# KiCad board multi-channel-cremat-amplifier.kicad_pcb (continued)
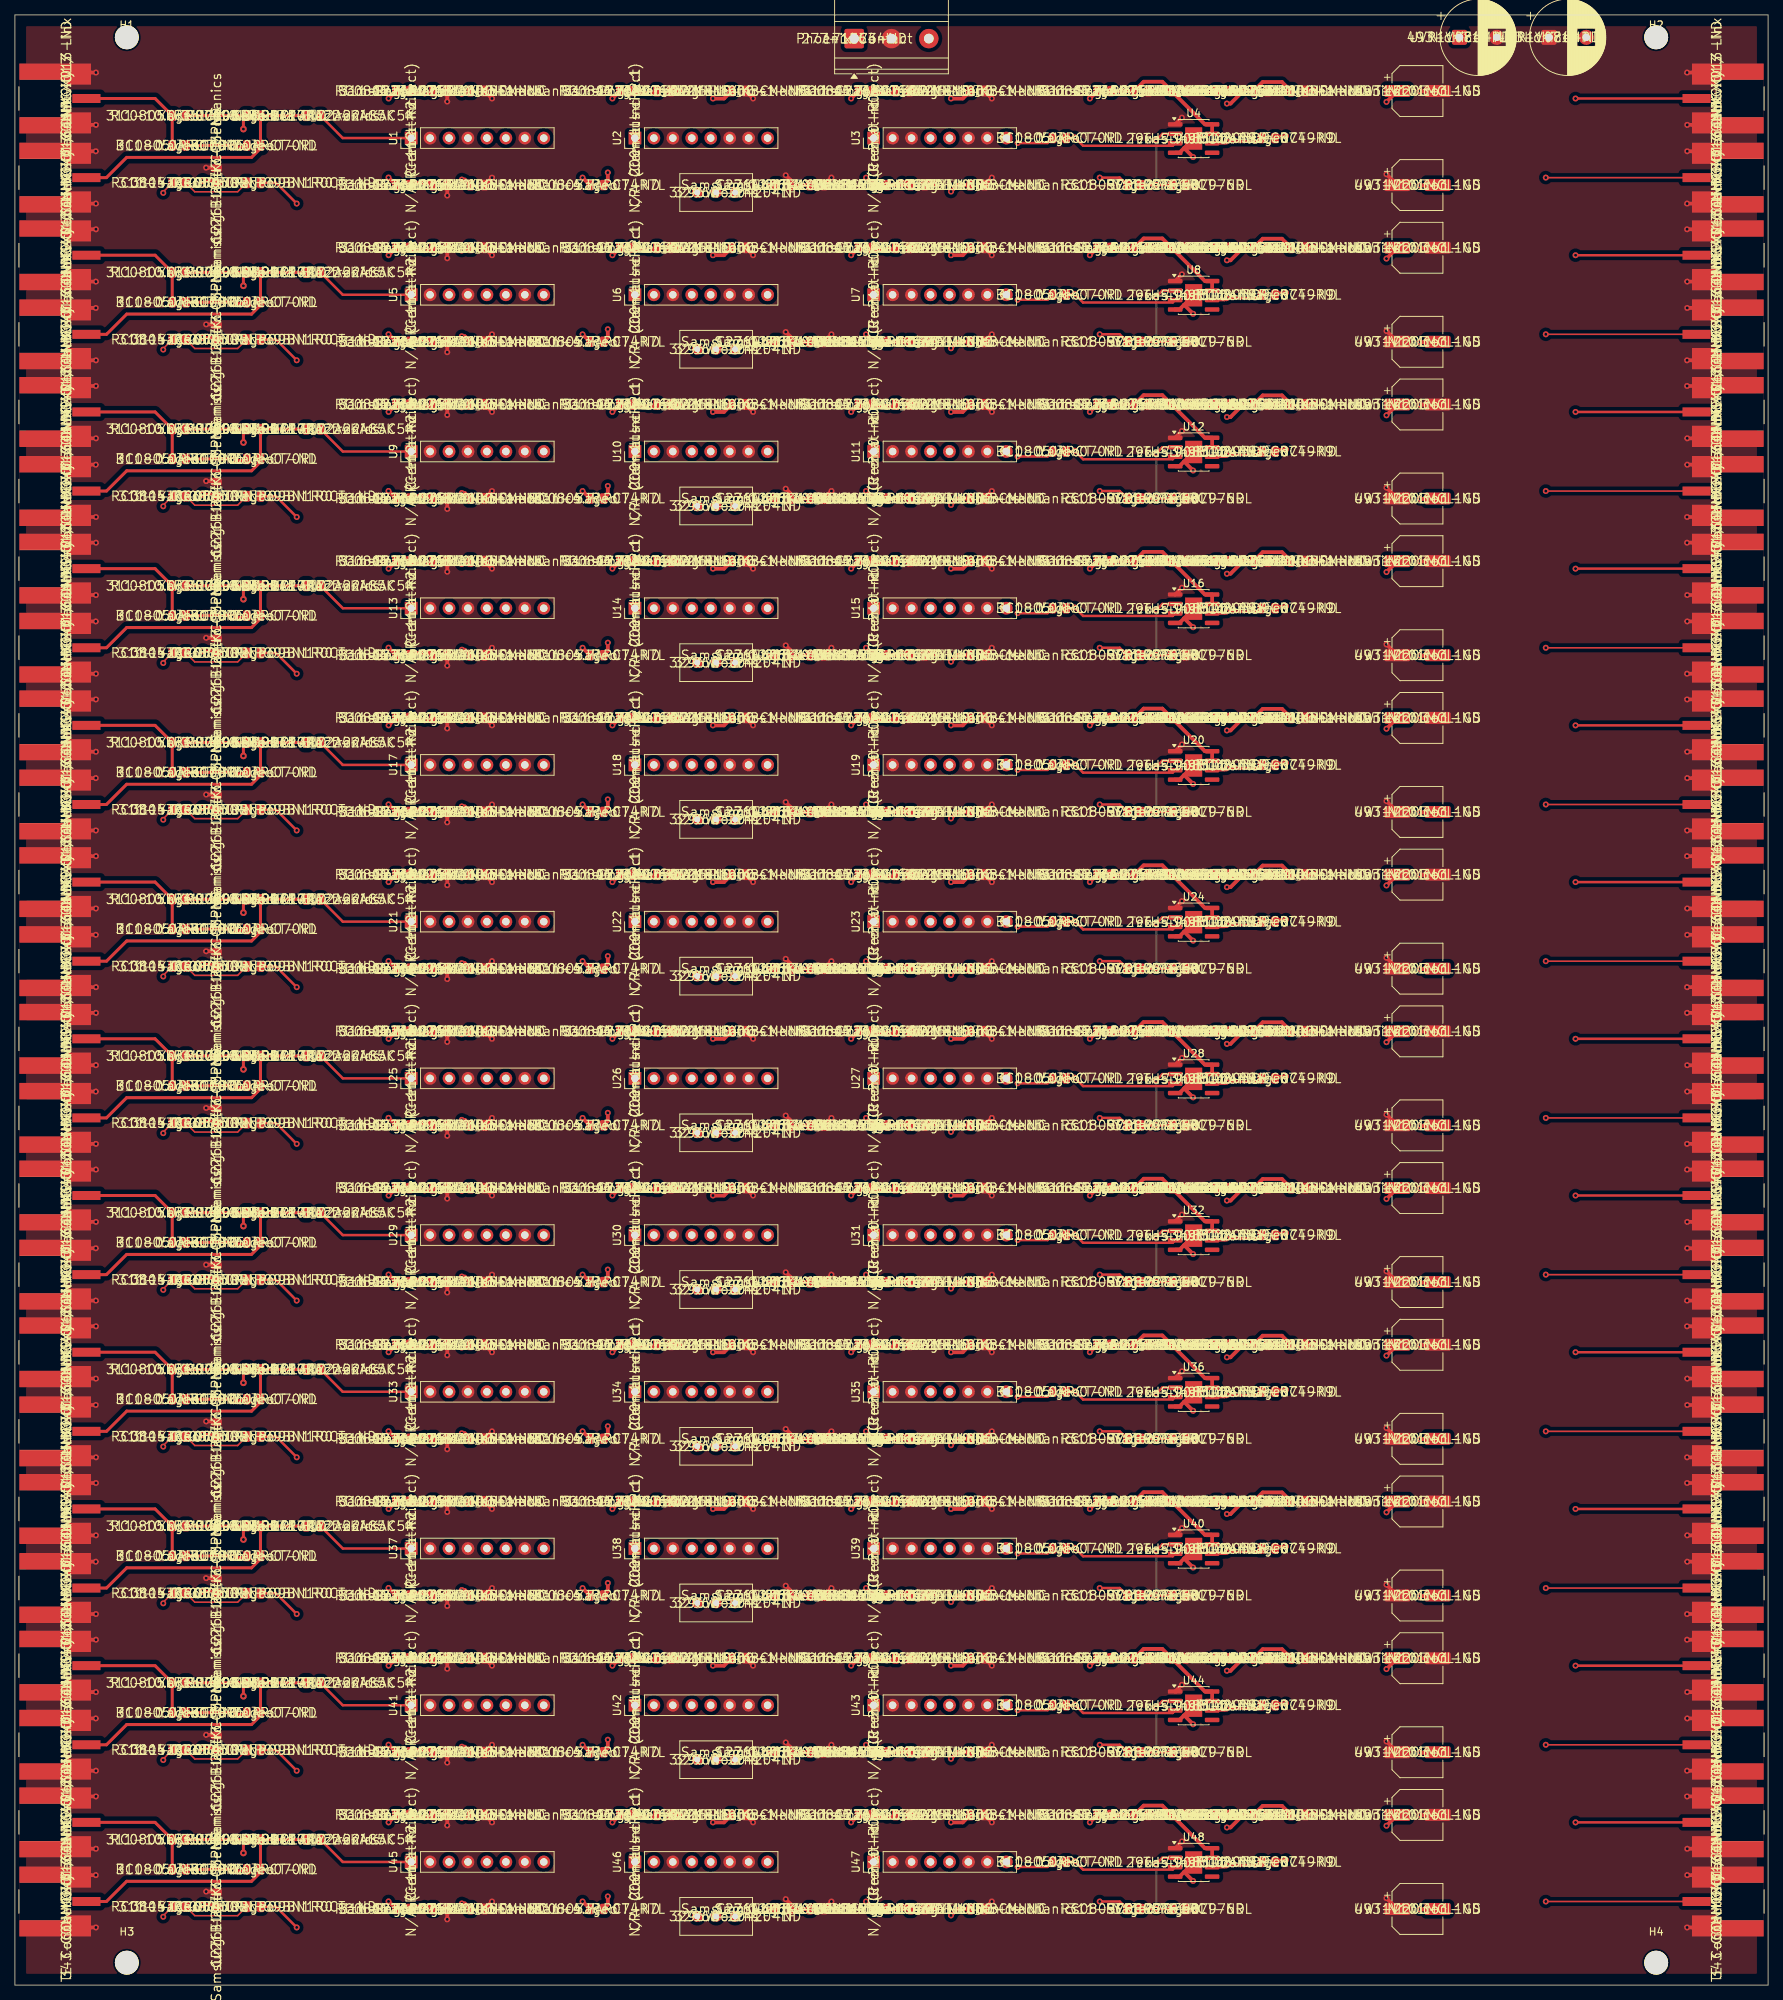
[diagram p0: board, top side]
## Routing (per net, layer and track width the routed paths; a pad name or vN(x,y) marks a point on that pad's centre or on a via; arc(x,y) is an arc through that point) (continued)
/BLVP_ch04: length 20.6
  Top w0.5: C76.1 127.05,189.8 v1(125.47,189.8) ; C75.1 117.77,190.52 v1(116.91,190.52) 115.2,190.52 R61.2
  GND.Cu w0.5: v1(116.91,190.52) 117.62,189.8 v1(125.47,189.8) 125.47,184.7 U15.5
/BLVP_ch05: length 20.6
  Top w0.5: C97.1 127.05,168.8 v1(125.47,168.8) ; C96.1 117.77,169.52 v1(116.91,169.52) 115.2,169.52 R78.2
  GND.Cu w0.5: v1(116.91,169.52) 117.62,168.8 v1(125.47,168.8) 125.47,163.7 U19.5
/BLVP_ch06: length 20.6
  Top w0.5: R95.2 115.2,148.52 v1(116.91,148.52) 117.77,148.52 C117.1 ; C118.1 127.05,147.8 v1(125.47,147.8)
  GND.Cu w0.5: U23.5 125.47,142.7 v1(125.47,147.8) 117.62,147.8 v1(116.91,148.52)
/BLVP_ch07: length 20.6
  Top w0.5: C139.1 127.05,126.8 v1(125.47,126.8) ; R112.2 115.2,127.52 v1(116.91,127.52) 117.77,127.52 C138.1
  GND.Cu w0.5: v1(116.91,127.52) 117.62,126.8 v1(125.47,126.8) 125.47,121.7 U27.5
/BLVP_ch08: length 20.6
  Top w0.5: C160.1 127.05,105.8 v1(125.47,105.8) ; R129.2 115.2,106.52 v1(116.91,106.52) 117.77,106.52 C159.1
  GND.Cu w0.5: v1(116.91,106.52) 117.62,105.8 v1(125.47,105.8) 125.47,100.7 U31.5
/BLVP_ch09: length 20.6
  Top w0.5: C180.1 117.77,85.52 v1(116.91,85.52) 115.2,85.52 R146.2 ; C181.1 127.05,84.8 v1(125.47,84.8)
  GND.Cu w0.5: U35.5 125.47,79.7 v1(125.47,84.8) 117.62,84.8 v1(116.91,85.52)
/BLVP_ch10: length 20.6
  Top w0.5: C201.1 117.77,64.52 v1(116.91,64.52) 115.2,64.52 R163.2 ; C202.1 127.05,63.8 v1(125.47,63.8)
  GND.Cu w0.5: v1(116.91,64.52) 117.62,63.8 v1(125.47,63.8) 125.47,58.7 U39.5
/BLVP_ch11: length 20.6
  Top w0.5: R180.2 115.2,43.52 v1(116.91,43.52) 117.77,43.52 C222.1 ; v1(125.47,42.8) 127.05,42.8 C223.1
  GND.Cu w0.5: v1(116.91,43.52) 117.62,42.8 v1(125.47,42.8) 125.47,37.7 U43.5
/BLVP_ch12: length 20.6
  Top w0.5: C244.1 127.05,21.8 v1(125.47,21.8) ; R197.2 115.2,22.52 v1(116.91,22.52) 117.77,22.52 C243.1
  GND.Cu w0.5: U47.5 125.47,16.7 v1(125.47,21.8) 117.62,21.8 v1(116.91,22.52)
/BUF_FB_ch01: length 13.1
  Top w0.33: 153,241.2 R13.2 ; 153,241.2 R14.1 ; 153,241.2 v1(153,241.23) ; U4.2 153.8,248.07 v1(152.97,247.23)
  Bottom w0.33: v1(153,241.23) 153,247.2 v1(152.97,247.23)
/BUF_FB_ch02: length 13.1
  Top w0.33: 153,220.2 v1(153,220.23) ; 153,220.2 R30.2 ; 153,220.2 R31.1 ; v1(152.97,226.23) 153.8,227.07 U8.2
  Bottom w0.33: v1(152.97,226.23) 153,226.2 v1(153,220.23)
/BUF_FB_ch03: length 13.1
  Top w0.33: 153,199.2 R47.2 ; 153,199.2 v1(153,199.23) ; 153,199.2 R48.1 ; U12.2 153.8,206.07 v1(152.97,205.23)
  Bottom w0.33: v1(152.97,205.23) 153,205.2 v1(153,199.23)
/BUF_FB_ch04: length 13.1
  Top w0.33: v1(152.97,184.23) 153.8,185.07 U16.2 ; 153,178.2 R64.2 ; 153,178.2 R65.1 ; 153,178.2 v1(153,178.23)
  Bottom w0.33: v1(152.97,184.23) 153,184.2 v1(153,178.23)
/BUF_FB_ch05: length 13.1
  Top w0.33: R82.1 153,157.2 ; 153,157.2 R81.2 ; 153,157.2 v1(153,157.23) ; v1(152.97,163.23) 153.8,164.07 U20.2
  Bottom w0.33: v1(153,157.23) 153,163.2 v1(152.97,163.23)
/BUF_FB_ch06: length 13.1
  Top w0.33: 153,136.2 R98.2 ; 153,136.2 v1(153,136.23) ; 153,136.2 R99.1 ; U24.2 153.8,143.07 v1(152.97,142.23)
  Bottom w0.33: v1(152.97,142.23) 153,142.2 v1(153,136.23)
/BUF_FB_ch07: length 13.1
  Top w0.33: 153,115.2 v1(153,115.23) ; 153,115.2 R115.2 ; 153,115.2 R116.1 ; U28.2 153.8,122.07 v1(152.97,121.23)
  Bottom w0.33: v1(152.97,121.23) 153,121.2 v1(153,115.23)
/BUF_FB_ch08: length 13.1
  Top w0.33: R133.1 153,94.2 ; 153,94.2 R132.2 ; 153,94.2 v1(153,94.23) ; v1(152.97,100.23) 153.8,101.07 U32.2
  Bottom w0.33: v1(153,94.23) 153,100.2 v1(152.97,100.23)
/BUF_FB_ch09: length 13.1
  Top w0.33: 153,73.2 v1(153,73.23) ; 153,73.2 R149.2 ; 153,73.2 R150.1 ; U36.2 153.8,80.07 v1(152.97,79.23)
  Bottom w0.33: v1(152.97,79.23) 153,79.2 v1(153,73.23)
/BUF_FB_ch10: length 13.1
  Top w0.33: R167.1 153,52.2 ; 153,52.2 v1(153,52.23) ; 153,52.2 R166.2 ; U40.2 153.8,59.07 v1(152.97,58.23)
  Bottom w0.33: v1(152.97,58.23) 153,58.2 v1(153,52.23)
/BUF_FB_ch11: length 13.1
  Top w0.33: v1(152.97,37.23) 153.8,38.07 U44.2 ; 153,31.2 v1(153,31.23) ; 153,31.2 R184.1 ; 153,31.2 R183.2
  Bottom w0.33: v1(152.97,37.23) 153,37.2 v1(153,31.23)
/BUF_FB_ch12: length 13.1
  Top w0.33: v1(152.97,16.23) 153.8,17.07 U48.2 ; 153,10.2 v1(153,10.23) ; 153,10.2 R200.2 ; 153,10.2 R201.1
  Bottom w0.33: v1(153,10.23) 153,16.2 v1(152.97,16.23)
/BUF_OUT_ch01: length 30
  Top w0.33: R13.1 148.09,242.2 v1(145.41,242.2) ; R15.1 166.63,247.04 v1(162.4,247.04) 162.15,246.8 U4.6
  GND.Cu w0.33: v1(162.4,247.04) 157.56,242.2 v1(145.41,242.2)
/BUF_OUT_ch02: length 30
  Top w0.33: U8.6 162.15,225.8 v1(162.4,226.04) 166.63,226.04 R32.1 ; v1(145.41,221.2) 148.09,221.2 R30.1
  GND.Cu w0.33: v1(162.4,226.04) 157.56,221.2 v1(145.41,221.2)
/BUF_OUT_ch03: length 30
  Top w0.33: R49.1 166.63,205.04 v1(162.4,205.04) 162.15,204.8 U12.6 ; v1(145.41,200.2) 148.09,200.2 R47.1
  GND.Cu w0.33: v1(162.4,205.04) 157.56,200.2 v1(145.41,200.2)
/BUF_OUT_ch04: length 30
  Top w0.33: U16.6 162.15,183.8 v1(162.4,184.04) 166.63,184.04 R66.1 ; R64.1 148.09,179.2 v1(145.41,179.2)
  GND.Cu w0.33: v1(145.41,179.2) 157.56,179.2 v1(162.4,184.04)
/BUF_OUT_ch05: length 30
  Top w0.33: v1(145.41,158.2) 148.09,158.2 R81.1 ; R83.1 166.63,163.04 v1(162.4,163.04) 162.15,162.8 U20.6
  GND.Cu w0.33: v1(162.4,163.04) 157.56,158.2 v1(145.41,158.2)
/BUF_OUT_ch06: length 30
  Top w0.33: R98.1 148.09,137.2 v1(145.41,137.2) ; U24.6 162.15,141.8 v1(162.4,142.04) 166.63,142.04 R100.1
  GND.Cu w0.33: v1(162.4,142.04) 157.56,137.2 v1(145.41,137.2)
/BUF_OUT_ch07: length 30
  Top w0.33: R115.1 148.09,116.2 v1(145.41,116.2) ; R117.1 166.63,121.04 v1(162.4,121.04) 162.15,120.8 U28.6
  GND.Cu w0.33: v1(145.41,116.2) 157.56,116.2 v1(162.4,121.04)
/BUF_OUT_ch08: length 30
  Top w0.33: R134.1 166.63,100.04 v1(162.4,100.04) 162.15,99.8 U32.6 ; v1(145.41,95.2) 148.09,95.2 R132.1
  GND.Cu w0.33: v1(145.41,95.2) 157.56,95.2 v1(162.4,100.04)
/BUF_OUT_ch09: length 30
  Top w0.33: R151.1 166.63,79.04 v1(162.4,79.04) 162.15,78.8 U36.6 ; v1(145.41,74.2) 148.09,74.2 R149.1
  GND.Cu w0.33: v1(145.41,74.2) 157.56,74.2 v1(162.4,79.04)
/BUF_OUT_ch10: length 30
  Top w0.33: v1(145.41,53.2) 148.09,53.2 R166.1 ; U40.6 162.15,57.8 v1(162.4,58.04) 166.63,58.04 R168.1
  GND.Cu w0.33: v1(145.41,53.2) 157.56,53.2 v1(162.4,58.04)
/BUF_OUT_ch11: length 30
  Top w0.33: U44.6 162.15,36.8 v1(162.4,37.04) 166.63,37.04 R185.1 ; R183.1 148.09,32.2 v1(145.41,32.2)
  GND.Cu w0.33: v1(145.41,32.2) 157.56,32.2 v1(162.4,37.04)
/BUF_OUT_ch12: length 30
  Top w0.33: R200.1 148.09,11.2 v1(145.41,11.2) ; U48.6 162.15,15.8 v1(162.4,16.04) 166.63,16.04 R202.1
  GND.Cu w0.33: v1(162.4,16.04) 157.56,11.2 v1(145.41,11.2)
/BVN_ch01: length 26
  Top w0.5: 156.72,246.16 156.09,245.53 U4.4 ; 156.72,246.16 v1(157.93,244.95) ; 156.72,246.16 U4.9 ; 164.48,253.8 164.48,253.65 162.95,252.12 v1(162.45,252.12) ; 164.48,253.8 R17.2 ; 164.48,253.8 C20.1 167.26,255.01 169.84,255.01 C21.1
  GND.Cu w0.5: v1(157.93,244.95) 162.45,249.47 v1(162.45,252.12)
/BVN_ch02: length 26
  Top w0.5: v1(162.45,231.12) 162.95,231.12 164.48,232.65 164.48,232.8 ; 164.48,232.8 R34.2 ; 164.48,232.8 C41.1 167.26,234.01 169.84,234.01 C42.1 ; U8.4 156.09,224.53 156.72,225.16 ; v1(157.93,223.95) 156.72,225.16 ; 156.72,225.16 U8.9
  GND.Cu w0.5: v1(157.93,223.95) 162.45,228.47 v1(162.45,231.12)
/BVN_ch03: length 26
  Top w0.5: v1(162.45,210.12) 162.95,210.12 164.48,211.65 164.48,211.8 ; U12.4 156.09,203.53 156.72,204.16 ; 164.48,211.8 R51.2 ; 164.48,211.8 C62.1 167.26,213.01 169.84,213.01 C63.1 ; 156.72,204.16 U12.9 ; 156.72,204.16 v1(157.93,202.95)
  GND.Cu w0.5: v1(157.93,202.95) 162.45,207.47 v1(162.45,210.12)
/BVN_ch04: length 26
  Top w0.5: 164.48,190.8 C83.1 167.26,192.01 169.84,192.01 C84.1 ; 164.48,190.8 R68.2 ; 164.48,190.8 164.48,190.65 162.95,189.12 v1(162.45,189.12) ; 156.72,183.16 156.09,182.53 U16.4 ; 156.72,183.16 v1(157.93,181.95) ; 156.72,183.16 U16.9
  GND.Cu w0.5: v1(162.45,189.12) 162.45,186.47 v1(157.93,181.95)
/BVN_ch05: length 26
  Top w0.5: C105.1 169.84,171.01 167.26,171.01 C104.1 164.48,169.8 ; v1(157.93,160.95) 156.72,162.16 ; 156.72,162.16 U20.9 ; 156.72,162.16 156.09,161.53 U20.4 ; 164.48,169.8 R85.2 ; 164.48,169.8 164.48,169.65 162.95,168.12 v1(162.45,168.12)
  GND.Cu w0.5: v1(162.45,168.12) 162.45,165.47 v1(157.93,160.95)
/BVN_ch06: length 26
  Top w0.5: v1(157.93,139.95) 156.72,141.16 ; 156.72,141.16 156.09,140.53 U24.4 ; 156.72,141.16 U24.9 ; 164.48,148.8 C125.1 167.26,150.01 169.84,150.01 C126.1 ; 164.48,148.8 R102.2 ; 164.48,148.8 164.48,148.65 162.95,147.12 v1(162.45,147.12)
  GND.Cu w0.5: v1(157.93,139.95) 162.45,144.47 v1(162.45,147.12)
/BVN_ch07: length 26
  Top w0.5: 164.48,127.8 R119.2 ; 164.48,127.8 164.48,127.65 162.95,126.12 v1(162.45,126.12) ; 164.48,127.8 C146.1 167.26,129.01 169.84,129.01 C147.1 ; v1(157.93,118.95) 156.72,120.16 ; 156.72,120.16 U28.9 ; 156.72,120.16 156.09,119.53 U28.4
  GND.Cu w0.5: v1(157.93,118.95) 162.45,123.47 v1(162.45,126.12)
/BVN_ch08: length 26
  Top w0.5: v1(162.45,105.12) 162.95,105.12 164.48,106.65 164.48,106.8 ; 156.72,99.16 U32.9 ; 156.72,99.16 156.09,98.53 U32.4 ; 156.72,99.16 v1(157.93,97.95) ; 164.48,106.8 C167.1 167.26,108.01 169.84,108.01 C168.1 ; 164.48,106.8 R136.2
  GND.Cu w0.5: v1(157.93,97.95) 162.45,102.47 v1(162.45,105.12)
/BVN_ch09: length 26
  Top w0.5: 164.48,85.8 C188.1 167.26,87.01 169.84,87.01 C189.1 ; 164.48,85.8 164.48,85.65 162.95,84.12 v1(162.45,84.12) ; 164.48,85.8 R153.2 ; 156.72,78.16 156.09,77.53 U36.4 ; 156.72,78.16 v1(157.93,76.95) ; 156.72,78.16 U36.9
  GND.Cu w0.5: v1(157.93,76.95) 162.45,81.47 v1(162.45,84.12)
/BVN_ch10: length 26
  Top w0.5: 156.72,57.16 156.09,56.53 U40.4 ; 156.72,57.16 v1(157.93,55.95) ; 156.72,57.16 U40.9 ; C210.1 169.84,66.01 167.26,66.01 C209.1 164.48,64.8 ; 164.48,64.8 164.48,64.65 162.95,63.12 v1(162.45,63.12) ; 164.48,64.8 R170.2
  GND.Cu w0.5: v1(157.93,55.95) 162.45,60.47 v1(162.45,63.12)
/BVN_ch11: length 26
  Top w0.5: v1(157.93,34.95) 156.72,36.16 ; 156.72,36.16 156.09,35.53 U44.4 ; 156.72,36.16 U44.9 ; 164.48,43.8 164.48,43.65 162.95,42.12 v1(162.45,42.12) ; 164.48,43.8 C230.1 167.26,45.01 169.84,45.01 C231.1 ; 164.48,43.8 R187.2
  GND.Cu w0.5: v1(162.45,42.12) 162.45,39.47 v1(157.93,34.95)
/BVN_ch12: length 26
  Top w0.5: 156.72,15.16 156.09,14.53 U48.4 ; 156.72,15.16 U48.9 ; 156.72,15.16 v1(157.93,13.95) ; C252.1 169.84,24.01 167.26,24.01 C251.1 164.48,22.8 ; 164.48,22.8 164.48,22.65 162.95,21.12 v1(162.45,21.12) ; 164.48,22.8 R204.2
  GND.Cu w0.5: v1(162.45,21.12) 162.45,18.47 v1(157.93,13.95)
/BVP_ch01: length 17.7
  Top w0.5: U4.7 U4.8 159.51,249.34 C19.1 153.8,255.05 151.3,255.05 C18.1 R16.2
/BVP_ch02: length 17.7
  Top w0.5: R33.2 C39.1 151.3,234.05 153.8,234.05 C40.1 159.51,228.34 U8.8 U8.7
/BVP_ch03: length 17.7
  Top w0.5: U12.7 U12.8 159.51,207.34 C61.1 153.8,213.05 151.3,213.05 C60.1 R50.2
/BVP_ch04: length 17.7
  Top w0.5: U16.7 U16.8 159.51,186.34 C82.1 153.8,192.05 151.3,192.05 C81.1 R67.2
/BVP_ch05: length 17.7
  Top w0.5: R84.2 C102.1 151.3,171.05 153.8,171.05 C103.1 159.51,165.34 U20.8 U20.7
/BVP_ch06: length 17.7
  Top w0.5: U24.7 U24.8 159.51,144.34 C124.1 153.8,150.05 151.3,150.05 C123.1 R101.2
/BVP_ch07: length 17.7
  Top w0.5: R118.2 C144.1 151.3,129.05 153.8,129.05 C145.1 159.51,123.34 U28.8 U28.7
/BVP_ch08: length 17.7
  Top w0.5: U32.7 U32.8 159.51,102.34 C166.1 153.8,108.05 151.3,108.05 C165.1 R135.2
/BVP_ch09: length 17.7
  Top w0.5: U36.7 U36.8 159.51,81.34 C187.1 153.8,87.05 151.3,87.05 C186.1 R152.2
/BVP_ch10: length 17.7
  Top w0.5: R169.2 C207.1 151.3,66.05 153.8,66.05 C208.1 159.51,60.34 U40.8 U40.7
/BVP_ch11: length 17.7
  Top w0.5: U44.7 U44.8 159.51,39.34 C229.1 153.8,45.05 151.3,45.05 C228.1 R186.2
/BVP_ch12: length 17.7
  Top w0.5: U48.7 U48.8 159.51,18.34 C250.1 153.8,24.05 151.3,24.05 C249.1 R203.2
/CSP_IN_ch01: length 38.3
  Top w0.33: U1.1 43.95,247.5 C2.2 ; v1(37.77,238.72) 34.99,241.5 C3.2
  GND.Cu w0.33: U1.1 51.89,247.5 43.12,238.72 v1(37.77,238.72)
/CSP_IN_ch02: length 38.3
  Top w0.33: C23.2 43.95,226.5 U5.1 ; v1(37.77,217.72) 34.99,220.5 C24.2
  GND.Cu w0.33: v1(37.77,217.72) 43.12,217.72 51.89,226.5 U5.1
/CSP_IN_ch03: length 38.3
  Top w0.33: v1(37.77,196.72) 34.99,199.5 C45.2 ; C44.2 43.95,205.5 U9.1
  GND.Cu w0.33: v1(37.77,196.72) 43.12,196.72 51.89,205.5 U9.1
/CSP_IN_ch04: length 38.3
  Top w0.33: v1(37.77,175.72) 34.99,178.5 C66.2 ; U13.1 43.95,184.5 C65.2
  GND.Cu w0.33: U13.1 51.89,184.5 43.12,175.72 v1(37.77,175.72)
/CSP_IN_ch05: length 38.3
  Top w0.33: U17.1 43.95,163.5 C86.2 ; C87.2 34.99,157.5 v1(37.77,154.72)
  GND.Cu w0.33: U17.1 51.89,163.5 43.12,154.72 v1(37.77,154.72)
/CSP_IN_ch06: length 38.3
  Top w0.33: U21.1 43.95,142.5 C107.2 ; C108.2 34.99,136.5 v1(37.77,133.72)
  GND.Cu w0.33: v1(37.77,133.72) 43.12,133.72 51.89,142.5 U21.1
/CSP_IN_ch07: length 38.3
  Top w0.33: U25.1 43.95,121.5 C128.2 ; v1(37.77,112.72) 34.99,115.5 C129.2
  GND.Cu w0.33: v1(37.77,112.72) 43.12,112.72 51.89,121.5 U25.1
/CSP_IN_ch08: length 38.3
  Top w0.33: C149.2 43.95,100.5 U29.1 ; v1(37.77,91.72) 34.99,94.5 C150.2
  GND.Cu w0.33: U29.1 51.89,100.5 43.12,91.72 v1(37.77,91.72)
/CSP_IN_ch09: length 38.3
  Top w0.33: C171.2 34.99,73.5 v1(37.77,70.72) ; U33.1 43.95,79.5 C170.2
  GND.Cu w0.33: U33.1 51.89,79.5 43.12,70.72 v1(37.77,70.72)
/CSP_IN_ch10: length 38.3
  Top w0.33: C192.2 34.99,52.5 v1(37.77,49.72) ; U37.1 43.95,58.5 C191.2
  GND.Cu w0.33: v1(37.77,49.72) 43.12,49.72 51.89,58.5 U37.1
/CSP_IN_ch11: length 38.3
  Top w0.33: v1(37.77,28.72) 34.99,31.5 C213.2 ; C212.2 43.95,37.5 U41.1
  GND.Cu w0.33: v1(37.77,28.72) 43.12,28.72 51.89,37.5 U41.1
/CSP_IN_ch12: length 38.3
  Top w0.33: C233.2 43.95,16.5 U45.1 ; v1(37.77,7.72) 34.99,10.5 C234.2
  GND.Cu w0.33: U45.1 51.89,16.5 43.12,7.72 v1(37.77,7.72)
/CSP_OUT_ch01: length 30.3
  GND.Cu w0.33: RV1.1 95.4,239.06 90.33,239.06 83.11,246.28 U2.1
  PWR.Cu w0.33: U1.8 U2.1
/CSP_OUT_ch02: length 30.3
  GND.Cu w0.33: U6.1 83.11,225.28 90.33,218.06 95.4,218.06 RV2.1
  PWR.Cu w0.33: U5.8 U6.1
/CSP_OUT_ch03: length 30.3
  GND.Cu w0.33: RV3.1 95.4,197.06 90.33,197.06 83.11,204.28 U10.1
  PWR.Cu w0.33: U9.8 U10.1
/CSP_OUT_ch04: length 30.3
  GND.Cu w0.33: U14.1 83.11,183.28 90.33,176.06 95.4,176.06 RV4.1
  PWR.Cu w0.33: U13.8 U14.1
/CSP_OUT_ch05: length 30.3
  GND.Cu w0.33: RV5.1 95.4,155.06 90.33,155.06 83.11,162.28 U18.1
  PWR.Cu w0.33: U17.8 U18.1
/CSP_OUT_ch06: length 30.3
  GND.Cu w0.33: RV6.1 95.4,134.06 90.33,134.06 83.11,141.28 U22.1
  PWR.Cu w0.33: U21.8 U22.1
/CSP_OUT_ch07: length 30.3
  GND.Cu w0.33: RV7.1 95.4,113.06 90.33,113.06 83.11,120.28 U26.1
  PWR.Cu w0.33: U25.8 U26.1
/CSP_OUT_ch08: length 30.3
  GND.Cu w0.33: RV8.1 95.4,92.06 90.33,92.06 83.11,99.28 U30.1
  PWR.Cu w0.33: U29.8 U30.1
/CSP_OUT_ch09: length 30.3
  GND.Cu w0.33: U34.1 83.11,78.28 90.33,71.06 95.4,71.06 RV9.1
  PWR.Cu w0.33: U33.8 U34.1
/CSP_OUT_ch10: length 30.3
  GND.Cu w0.33: U38.1 83.11,57.28 90.33,50.06 95.4,50.06 RV10.1
  PWR.Cu w0.33: U37.8 U38.1
/CSP_OUT_ch11: length 30.3
  GND.Cu w0.33: U42.1 83.11,36.28 90.33,29.06 95.4,29.06 RV11.1
  PWR.Cu w0.33: U41.8 U42.1
/CSP_OUT_ch12: length 30.3
  GND.Cu w0.33: U46.1 83.11,15.28 90.33,8.06 95.4,8.06 RV12.1
  PWR.Cu w0.33: U45.8 U46.1
/FE_ch01: length 35.5
  Top w0.4: C2.1 R3.2 R4.2 32.91,246.1 31.72,244.91 14.98,244.91 12.27,242.2 J2.1
/FE_ch02: length 35.5
  Top w0.4: C23.1 R20.2 R21.2 32.91,225.1 31.72,223.91 14.98,223.91 12.27,221.2 J6.1
/FE_ch03: length 35.5
  Top w0.4: C44.1 R37.2 R38.2 32.91,204.1 31.72,202.91 14.98,202.91 12.27,200.2 J10.1
/FE_ch04: length 35.5
  Top w0.4: J14.1 12.27,179.2 14.98,181.91 31.72,181.91 32.91,183.1 R55.2 R54.2 C65.1
/FE_ch05: length 35.5
  Top w0.4: C86.1 R71.2 R72.2 32.91,162.1 31.72,160.91 14.98,160.91 12.27,158.2 J18.1
/FE_ch06: length 35.5
  Top w0.4: C107.1 R88.2 R89.2 32.91,141.1 31.72,139.91 14.98,139.91 12.27,137.2 J22.1
/FE_ch07: length 35.5
  Top w0.4: C128.1 R105.2 R106.2 32.91,120.1 31.72,118.91 14.98,118.91 12.27,116.2 J26.1
/FE_ch08: length 35.5
  Top w0.4: J30.1 12.27,95.2 14.98,97.91 31.72,97.91 32.91,99.1 R123.2 R122.2 C149.1
/FE_ch09: length 35.5
  Top w0.4: C170.1 R139.2 R140.2 32.91,78.1 31.72,76.91 14.98,76.91 12.27,74.2 J34.1
/FE_ch10: length 35.5
  Top w0.4: J38.1 12.27,53.2 14.98,55.91 31.72,55.91 32.91,57.1 R157.2 R156.2 C191.1
/FE_ch11: length 35.5
  Top w0.4: C212.1 R173.2 R174.2 32.91,36.1 31.72,34.91 14.98,34.91 12.27,32.2 J42.1
/FE_ch12: length 35.5
  Top w0.4: J46.1 12.27,11.2 14.98,13.91 31.72,13.91 32.91,15.1 R191.2 R190.2 C233.1
/N_filt_ch01: length 29.6
  Top w0.4: R4.1 30.89,246.3 v2(29.19,246.3) 28.99,246.5 R2.2 ; 30.63,250.5 v2(30.63,248.7) ; 30.63,250.5 R3.1 ; 30.63,250.5 R1.2 ; v2(25.18,241.76) 26.79,241.76 C1.1
  GND.Cu w0.4: v2(25.18,241.76) 25.57,241.76 29.19,245.38 v2(29.19,246.3) 29.19,247.27 v2(30.63,248.7)
/N_filt_ch02: length 29.6
  Top w0.4: 30.63,229.5 R20.1 ; 30.63,229.5 R18.2 ; 30.63,229.5 v2(30.63,227.7) ; v2(25.18,220.76) 26.79,220.76 C22.1 ; R19.2 28.99,225.5 v2(29.19,225.3) 30.89,225.3 R21.1
  GND.Cu w0.4: v2(25.18,220.76) 25.57,220.76 29.19,224.38 v2(29.19,225.3) 29.19,226.27 v2(30.63,227.7)
/N_filt_ch03: length 29.6
  Top w0.4: R38.1 30.89,204.3 v2(29.19,204.3) 28.99,204.5 R36.2 ; R35.2 30.63,208.5 ; 30.63,208.5 R37.1 ; 30.63,208.5 v2(30.63,206.7) ; C43.1 26.79,199.76 v2(25.18,199.76)
  GND.Cu w0.4: v2(25.18,199.76) 25.57,199.76 29.19,203.38 v2(29.19,204.3) 29.19,205.27 v2(30.63,206.7)
/N_filt_ch04: length 29.6
  Top w0.4: 30.63,187.5 v2(30.63,185.7) ; 30.63,187.5 R54.1 ; 30.63,187.5 R52.2 ; C64.1 26.79,178.76 v2(25.18,178.76) ; R53.2 28.99,183.5 v2(29.19,183.3) 30.89,183.3 R55.1
  GND.Cu w0.4: v2(25.18,178.76) 25.57,178.76 29.19,182.38 v2(29.19,183.3) 29.19,184.27 v2(30.63,185.7)
/N_filt_ch05: length 29.6
  Top w0.4: 30.63,166.5 v2(30.63,164.7) ; 30.63,166.5 R69.2 ; 30.63,166.5 R71.1 ; C85.1 26.79,157.76 v2(25.18,157.76) ; R72.1 30.89,162.3 v2(29.19,162.3) 28.99,162.5 R70.2
  GND.Cu w0.4: v2(25.18,157.76) 25.57,157.76 29.19,161.38 v2(29.19,162.3) 29.19,163.27 v2(30.63,164.7)
/N_filt_ch06: length 29.6
  Top w0.4: C106.1 26.79,136.76 v2(25.18,136.76) ; R87.2 28.99,141.5 v2(29.19,141.3) 30.89,141.3 R89.1 ; R86.2 30.63,145.5 ; 30.63,145.5 R88.1 ; 30.63,145.5 v2(30.63,143.7)
  GND.Cu w0.4: v2(25.18,136.76) 25.57,136.76 29.19,140.38 v2(29.19,141.3) 29.19,142.27 v2(30.63,143.7)
/N_filt_ch07: length 29.6
  Top w0.4: v2(25.18,115.76) 26.79,115.76 C127.1 ; 30.63,124.5 v2(30.63,122.7) ; 30.63,124.5 R103.2 ; 30.63,124.5 R105.1 ; R106.1 30.89,120.3 v2(29.19,120.3) 28.99,120.5 R104.2
  GND.Cu w0.4: v2(30.63,122.7) 29.19,121.27 v2(29.19,120.3) 29.19,119.38 25.57,115.76 v2(25.18,115.76)
/N_filt_ch08: length 29.6
  Top w0.4: R120.2 30.63,103.5 ; 30.63,103.5 R122.1 ; 30.63,103.5 v2(30.63,101.7) ; R121.2 28.99,99.5 v2(29.19,99.3) 30.89,99.3 R123.1 ; v2(25.18,94.76) 26.79,94.76 C148.1
  GND.Cu w0.4: v2(30.63,101.7) 29.19,100.27 v2(29.19,99.3) 29.19,98.38 25.57,94.76 v2(25.18,94.76)
/N_filt_ch09: length 29.6
  Top w0.4: 30.63,82.5 v2(30.63,80.7) ; 30.63,82.5 R137.2 ; 30.63,82.5 R139.1 ; R138.2 28.99,78.5 v2(29.19,78.3) 30.89,78.3 R140.1 ; v2(25.18,73.76) 26.79,73.76 C169.1
  GND.Cu w0.4: v2(25.18,73.76) 25.57,73.76 29.19,77.38 v2(29.19,78.3) 29.19,79.27 v2(30.63,80.7)
/N_filt_ch10: length 29.6
  Top w0.4: C190.1 26.79,52.76 v2(25.18,52.76) ; R157.1 30.89,57.3 v2(29.19,57.3) 28.99,57.5 R155.2 ; 30.63,61.5 R156.1 ; 30.63,61.5 v2(30.63,59.7) ; 30.63,61.5 R154.2
  GND.Cu w0.4: v2(25.18,52.76) 25.57,52.76 29.19,56.38 v2(29.19,57.3) 29.19,58.27 v2(30.63,59.7)
/N_filt_ch11: length 29.6
  Top w0.4: R172.2 28.99,36.5 v2(29.19,36.3) 30.89,36.3 R174.1 ; C211.1 26.79,31.76 v2(25.18,31.76) ; 30.63,40.5 R173.1 ; 30.63,40.5 R171.2 ; 30.63,40.5 v2(30.63,38.7)
  GND.Cu w0.4: v2(25.18,31.76) 25.57,31.76 29.19,35.38 v2(29.19,36.3) 29.19,37.27 v2(30.63,38.7)
/N_filt_ch12: length 29.6
  Top w0.4: 30.63,19.5 v2(30.63,17.7) ; 30.63,19.5 R190.1 ; 30.63,19.5 R188.2 ; v2(25.18,10.76) 26.79,10.76 C232.1 ; R191.1 30.89,15.3 v2(29.19,15.3) 28.99,15.5 R189.2
  GND.Cu w0.4: v2(25.18,10.76) 25.57,10.76 29.19,14.38 v2(29.19,15.3) 29.19,16.27 v2(30.63,17.7)
/OUT_50_ch01: length 58.7
  Top w0.33: v1(170.37,247.78) 169.19,247.78 R15.2 ; J4.1 v1(209.19,252.8)
  GND.Cu w0.33: v1(209.19,252.8) 204.17,247.78 v1(170.37,247.78)
/OUT_50_ch02: length 58.7
  Top w0.33: R32.2 169.19,226.78 v1(170.37,226.78) ; J8.1 v1(209.19,231.8)
  GND.Cu w0.33: v1(209.19,231.8) 204.17,226.78 v1(170.37,226.78)
/OUT_50_ch03: length 58.7
  Top w0.33: J12.1 v1(209.19,210.8) ; R49.2 169.19,205.78 v1(170.37,205.78)
  GND.Cu w0.33: v1(170.37,205.78) 204.17,205.78 v1(209.19,210.8)
/OUT_50_ch04: length 58.7
  Top w0.33: J16.1 v1(209.19,189.8) ; v1(170.37,184.78) 169.19,184.78 R66.2
  GND.Cu w0.33: v1(209.19,189.8) 204.17,184.78 v1(170.37,184.78)
/OUT_50_ch05: length 58.7
  Top w0.33: R83.2 169.19,163.78 v1(170.37,163.78) ; J20.1 v1(209.19,168.8)
  GND.Cu w0.33: v1(209.19,168.8) 204.17,163.78 v1(170.37,163.78)
/OUT_50_ch06: length 58.7
  Top w0.33: J24.1 v1(209.19,147.8) ; v1(170.37,142.78) 169.19,142.78 R100.2
  GND.Cu w0.33: v1(170.37,142.78) 204.17,142.78 v1(209.19,147.8)
/OUT_50_ch07: length 58.7
  Top w0.33: J28.1 v1(209.19,126.8) ; R117.2 169.19,121.78 v1(170.37,121.78)
  GND.Cu w0.33: v1(170.37,121.78) 204.17,121.78 v1(209.19,126.8)
/OUT_50_ch08: length 58.7
  Top w0.33: J32.1 v1(209.19,105.8) ; R134.2 169.19,100.78 v1(170.37,100.78)
  GND.Cu w0.33: v1(209.19,105.8) 204.17,100.78 v1(170.37,100.78)
/OUT_50_ch09: length 58.7
  Top w0.33: J36.1 v1(209.19,84.8) ; v1(170.37,79.78) 169.19,79.78 R151.2
  GND.Cu w0.33: v1(170.37,79.78) 204.17,79.78 v1(209.19,84.8)
/OUT_50_ch10: length 58.7
  Top w0.33: v1(170.37,58.78) 169.19,58.78 R168.2 ; J40.1 v1(209.19,63.8)
  GND.Cu w0.33: v1(209.19,63.8) 204.17,58.78 v1(170.37,58.78)
/OUT_50_ch11: length 58.7
  Top w0.33: R185.2 169.19,37.78 v1(170.37,37.78) ; J44.1 v1(209.19,42.8)
  GND.Cu w0.33: v1(170.37,37.78) 204.17,37.78 v1(209.19,42.8)
/OUT_50_ch12: length 58.7
  Top w0.33: R202.2 169.19,16.78 v1(170.37,16.78) ; J48.1 v1(209.19,21.8)
  GND.Cu w0.33: v1(209.19,21.8) 204.17,16.78 v1(170.37,16.78)
/PZ_ch01: length 12.2
  GND.Cu w0.203: RV1.3 91.46,241.69 U2.2
  PWR.Cu w0.203: RV1.3 RV1.2
/PZ_ch02: length 12.2
  GND.Cu w0.203: U6.2 91.46,220.69 RV2.3
  PWR.Cu w0.203: RV2.3 RV2.2
/PZ_ch03: length 12.2
  GND.Cu w0.203: RV3.3 91.46,199.69 U10.2
  PWR.Cu w0.203: RV3.3 RV3.2
/PZ_ch04: length 12.2
  GND.Cu w0.203: U14.2 91.46,178.69 RV4.3
  PWR.Cu w0.203: RV4.3 RV4.2
/PZ_ch05: length 12.2
  GND.Cu w0.203: RV5.3 91.46,157.69 U18.2
  PWR.Cu w0.203: RV5.3 RV5.2
/PZ_ch06: length 12.2
  GND.Cu w0.203: U22.2 91.46,136.69 RV6.3
  PWR.Cu w0.203: RV6.3 RV6.2
/PZ_ch07: length 12.2
  GND.Cu w0.203: U26.2 91.46,115.69 RV7.3
  PWR.Cu w0.203: RV7.3 RV7.2
/PZ_ch08: length 12.2
  GND.Cu w0.203: U30.2 91.46,94.69 RV8.3
  PWR.Cu w0.203: RV8.3 RV8.2
/PZ_ch09: length 12.2
  GND.Cu w0.203: U34.2 91.46,73.69 RV9.3
  PWR.Cu w0.203: RV9.3 RV9.2
/PZ_ch10: length 12.2
  GND.Cu w0.203: RV10.3 91.46,52.69 U38.2
  PWR.Cu w0.203: RV10.3 RV10.2
/PZ_ch11: length 12.2
  GND.Cu w0.203: U42.2 91.46,31.69 RV11.3
  PWR.Cu w0.203: RV11.3 RV11.2
/PZ_ch12: length 12.2
  GND.Cu w0.203: U46.2 91.46,10.69 RV12.3
  PWR.Cu w0.203: RV12.3 RV12.2
/SH_OUT_ch01: length 41.1
  Top w0.33: R12.1 138.42,246.84 v1(134.4,246.84)
  GND.Cu w0.33: v1(134.4,246.84) 133.82,246.25 124.73,246.25 123.96,247.02 123.96,248.06 123.3,248.72 117.09,248.72 116.33,247.96 116.33,247.5 U3.1
  PWR.Cu w0.33: U2.8 U3.1
/SH_OUT_ch02: length 41.1
  Top w0.33: R29.1 138.42,225.84 v1(134.4,225.84)
  GND.Cu w0.33: U7.1 116.33,226.5 116.33,226.96 117.09,227.72 123.3,227.72 123.96,227.06 123.96,226.02 124.73,225.25 133.82,225.25 v1(134.4,225.84)
  PWR.Cu w0.33: U6.8 U7.1
/SH_OUT_ch03: length 41.1
  Top w0.33: v1(134.4,204.84) 138.42,204.84 R46.1
  GND.Cu w0.33: U11.1 116.33,205.5 116.33,205.96 117.09,206.72 123.3,206.72 123.96,206.06 123.96,205.02 124.73,204.25 133.82,204.25 v1(134.4,204.84)
  PWR.Cu w0.33: U10.8 U11.1
/SH_OUT_ch04: length 41.1
  Top w0.33: R63.1 138.42,183.84 v1(134.4,183.84)
  GND.Cu w0.33: U15.1 116.33,184.5 116.33,184.96 117.09,185.72 123.3,185.72 123.96,185.06 123.96,184.02 124.73,183.25 133.82,183.25 v1(134.4,183.84)
  PWR.Cu w0.33: U14.8 U15.1
/SH_OUT_ch05: length 41.1
  Top w0.33: R80.1 138.42,162.84 v1(134.4,162.84)
  GND.Cu w0.33: v1(134.4,162.84) 133.82,162.25 124.73,162.25 123.96,163.02 123.96,164.06 123.3,164.72 117.09,164.72 116.33,163.96 116.33,163.5 U19.1
  PWR.Cu w0.33: U18.8 U19.1
/SH_OUT_ch06: length 41.1
  Top w0.33: R97.1 138.42,141.84 v1(134.4,141.84)
  GND.Cu w0.33: v1(134.4,141.84) 133.82,141.25 124.73,141.25 123.96,142.02 123.96,143.06 123.3,143.72 117.09,143.72 116.33,142.96 116.33,142.5 U23.1
  PWR.Cu w0.33: U22.8 U23.1
/SH_OUT_ch07: length 41.1
  Top w0.33: R114.1 138.42,120.84 v1(134.4,120.84)
  GND.Cu w0.33: U27.1 116.33,121.5 116.33,121.96 117.09,122.72 123.3,122.72 123.96,122.06 123.96,121.02 124.73,120.25 133.82,120.25 v1(134.4,120.84)
  PWR.Cu w0.33: U26.8 U27.1
/SH_OUT_ch08: length 41.1
  Top w0.33: R131.1 138.42,99.84 v1(134.4,99.84)
  GND.Cu w0.33: v1(134.4,99.84) 133.82,99.25 124.73,99.25 123.96,100.02 123.96,101.06 123.3,101.72 117.09,101.72 116.33,100.96 116.33,100.5 U31.1
  PWR.Cu w0.33: U30.8 U31.1
